# Altium PCB PCB1.PcbDoc
Units mm, origin at the board's own origin, x right, y up, seen from the top; angles counter-clockwise.
Board outline 100.26 x 77.43 mm, 4 copper layers (Top Layer, GND, PWR, Bottom Layer), stack 0.603 mm thick; 34 components, 36 nets, 157 pads, 19 vias.
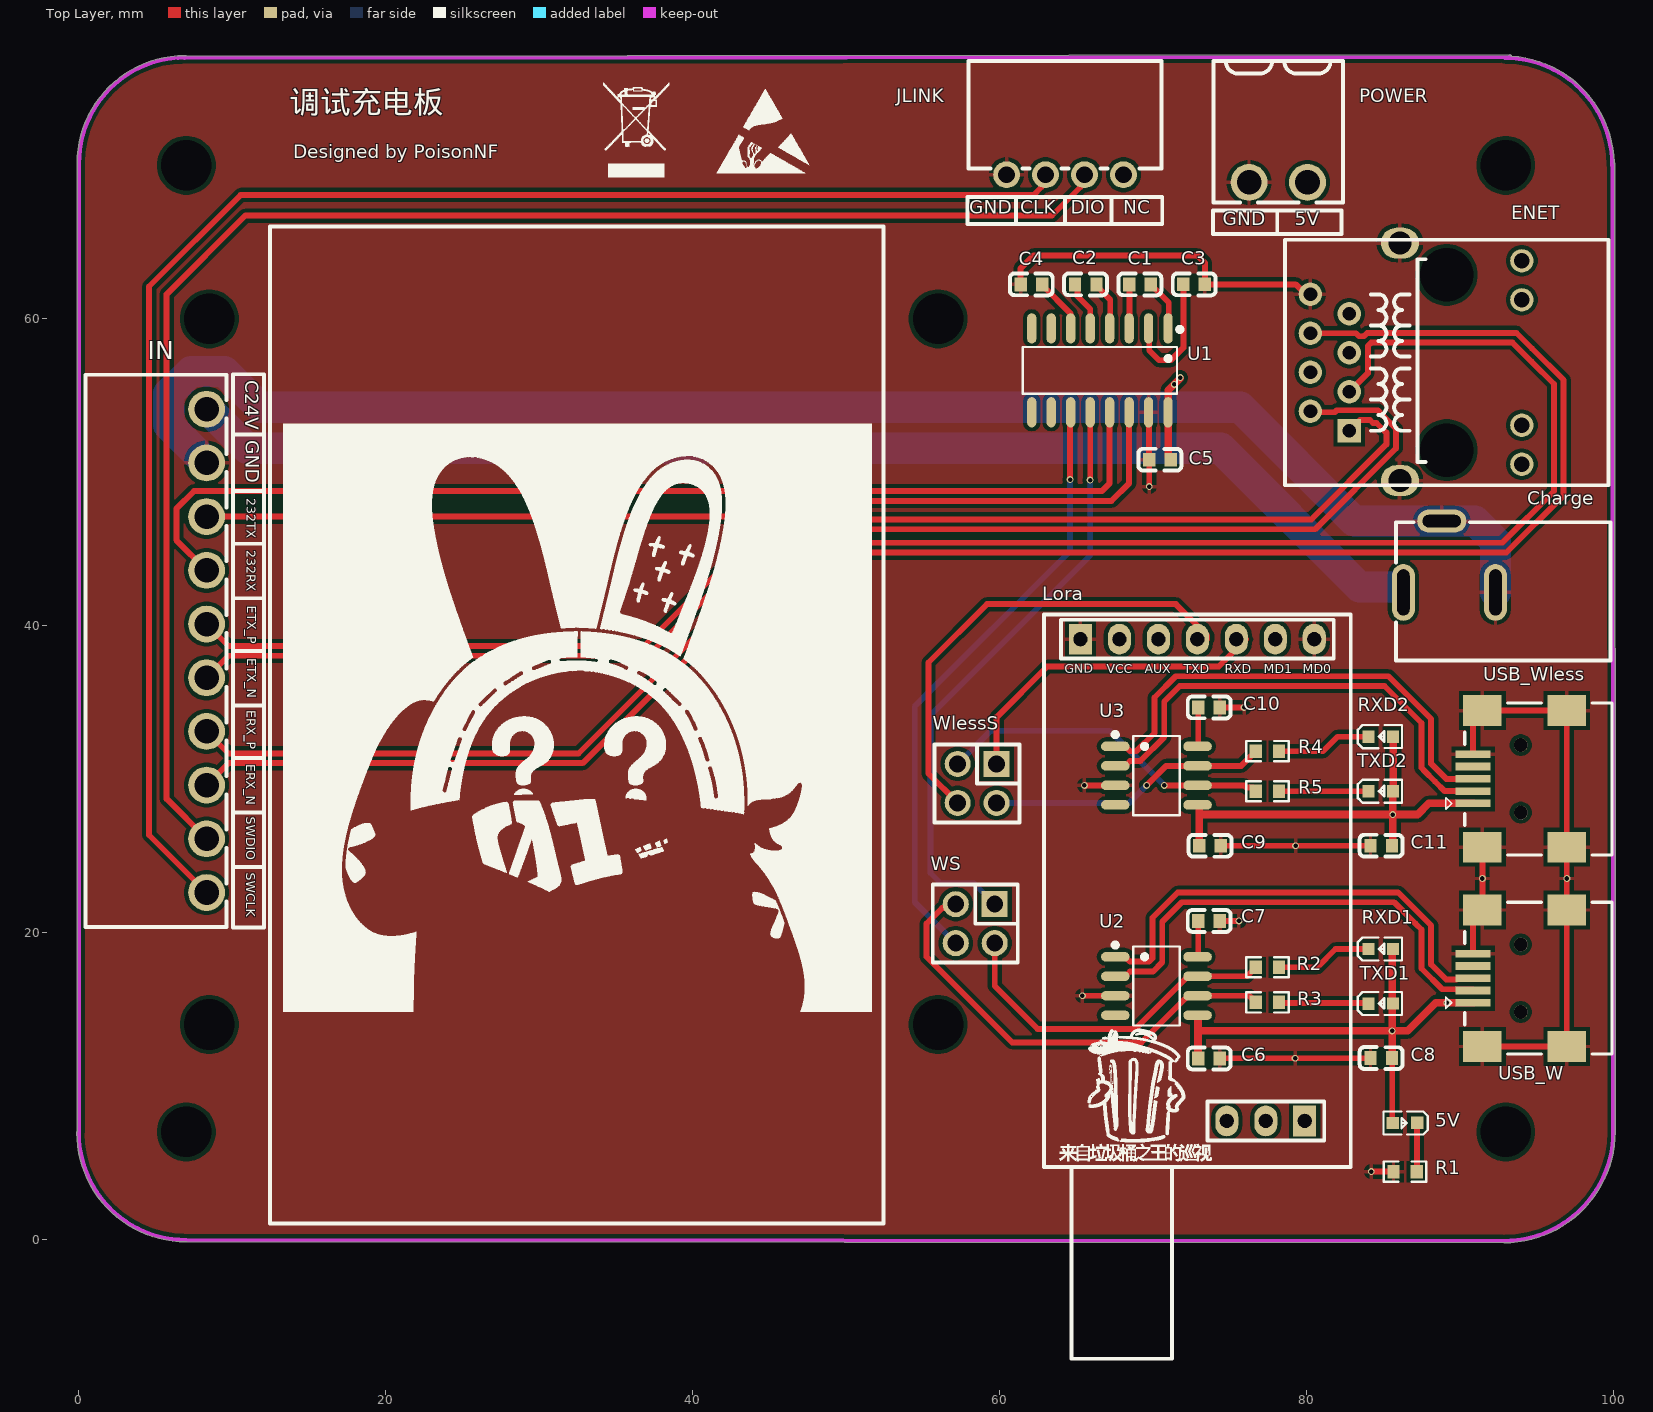
[diagram p0: Top Layer view]
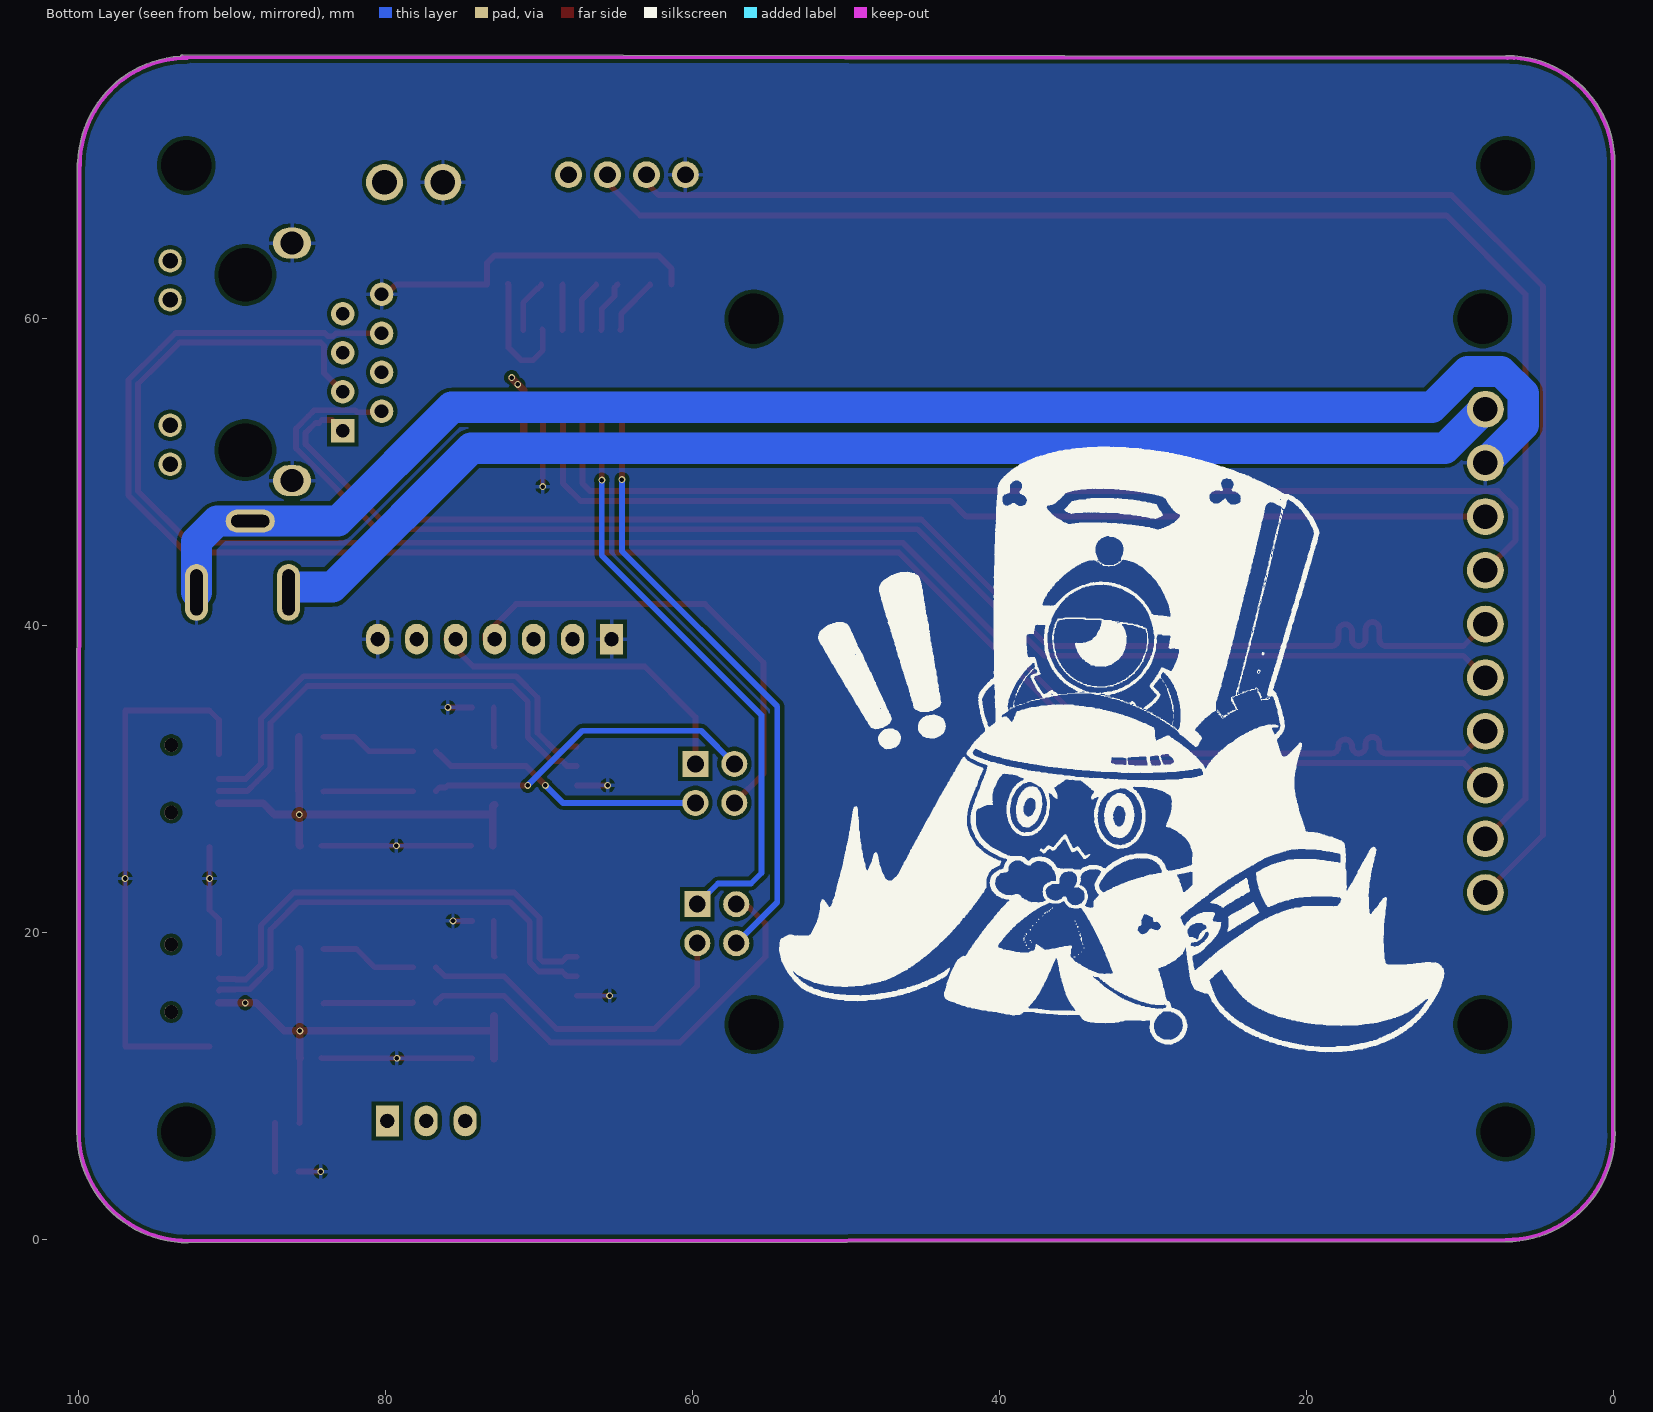
[diagram p1: Bottom Layer view, seen from below]
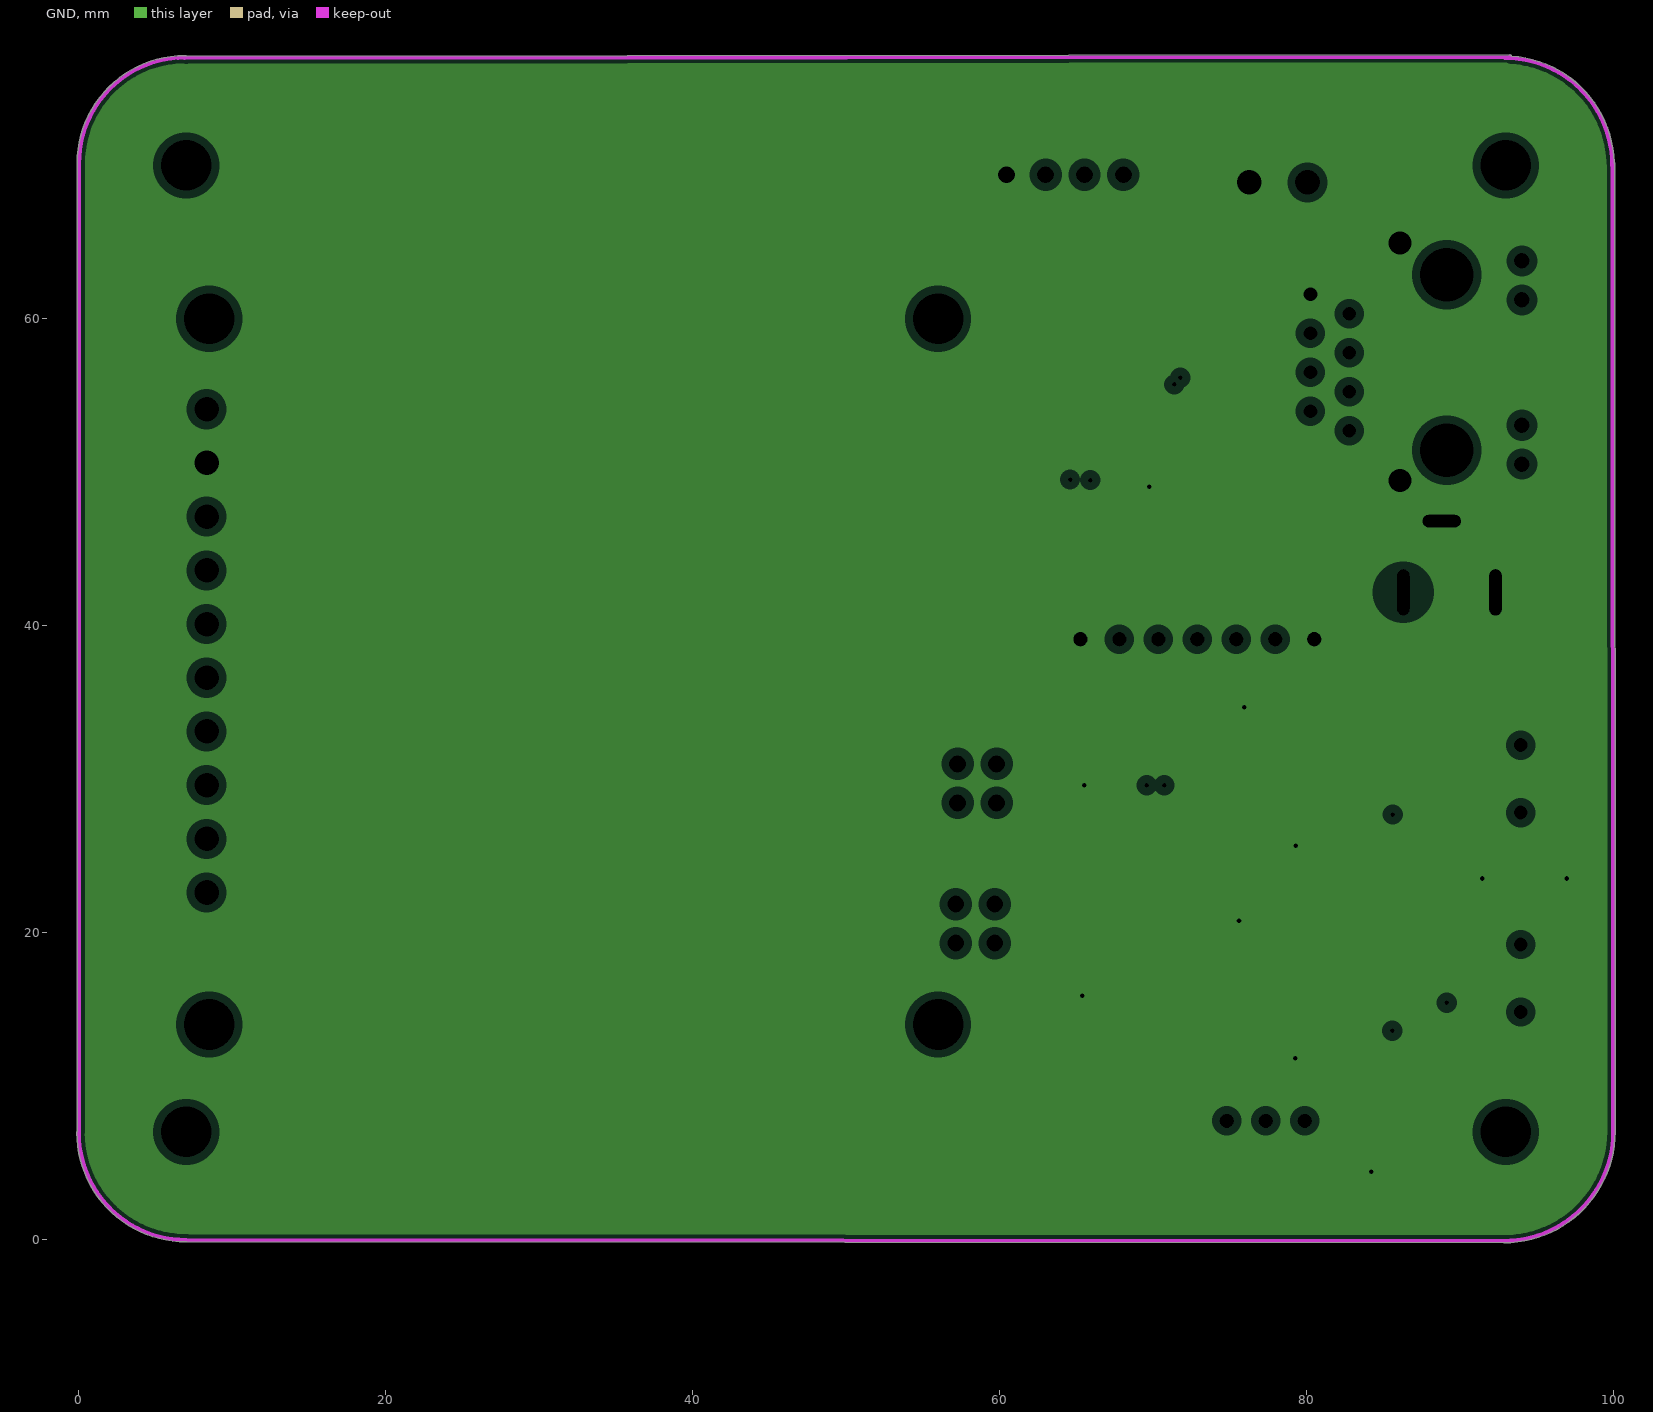
[diagram p2: GND, clearances drawn from the general rule]
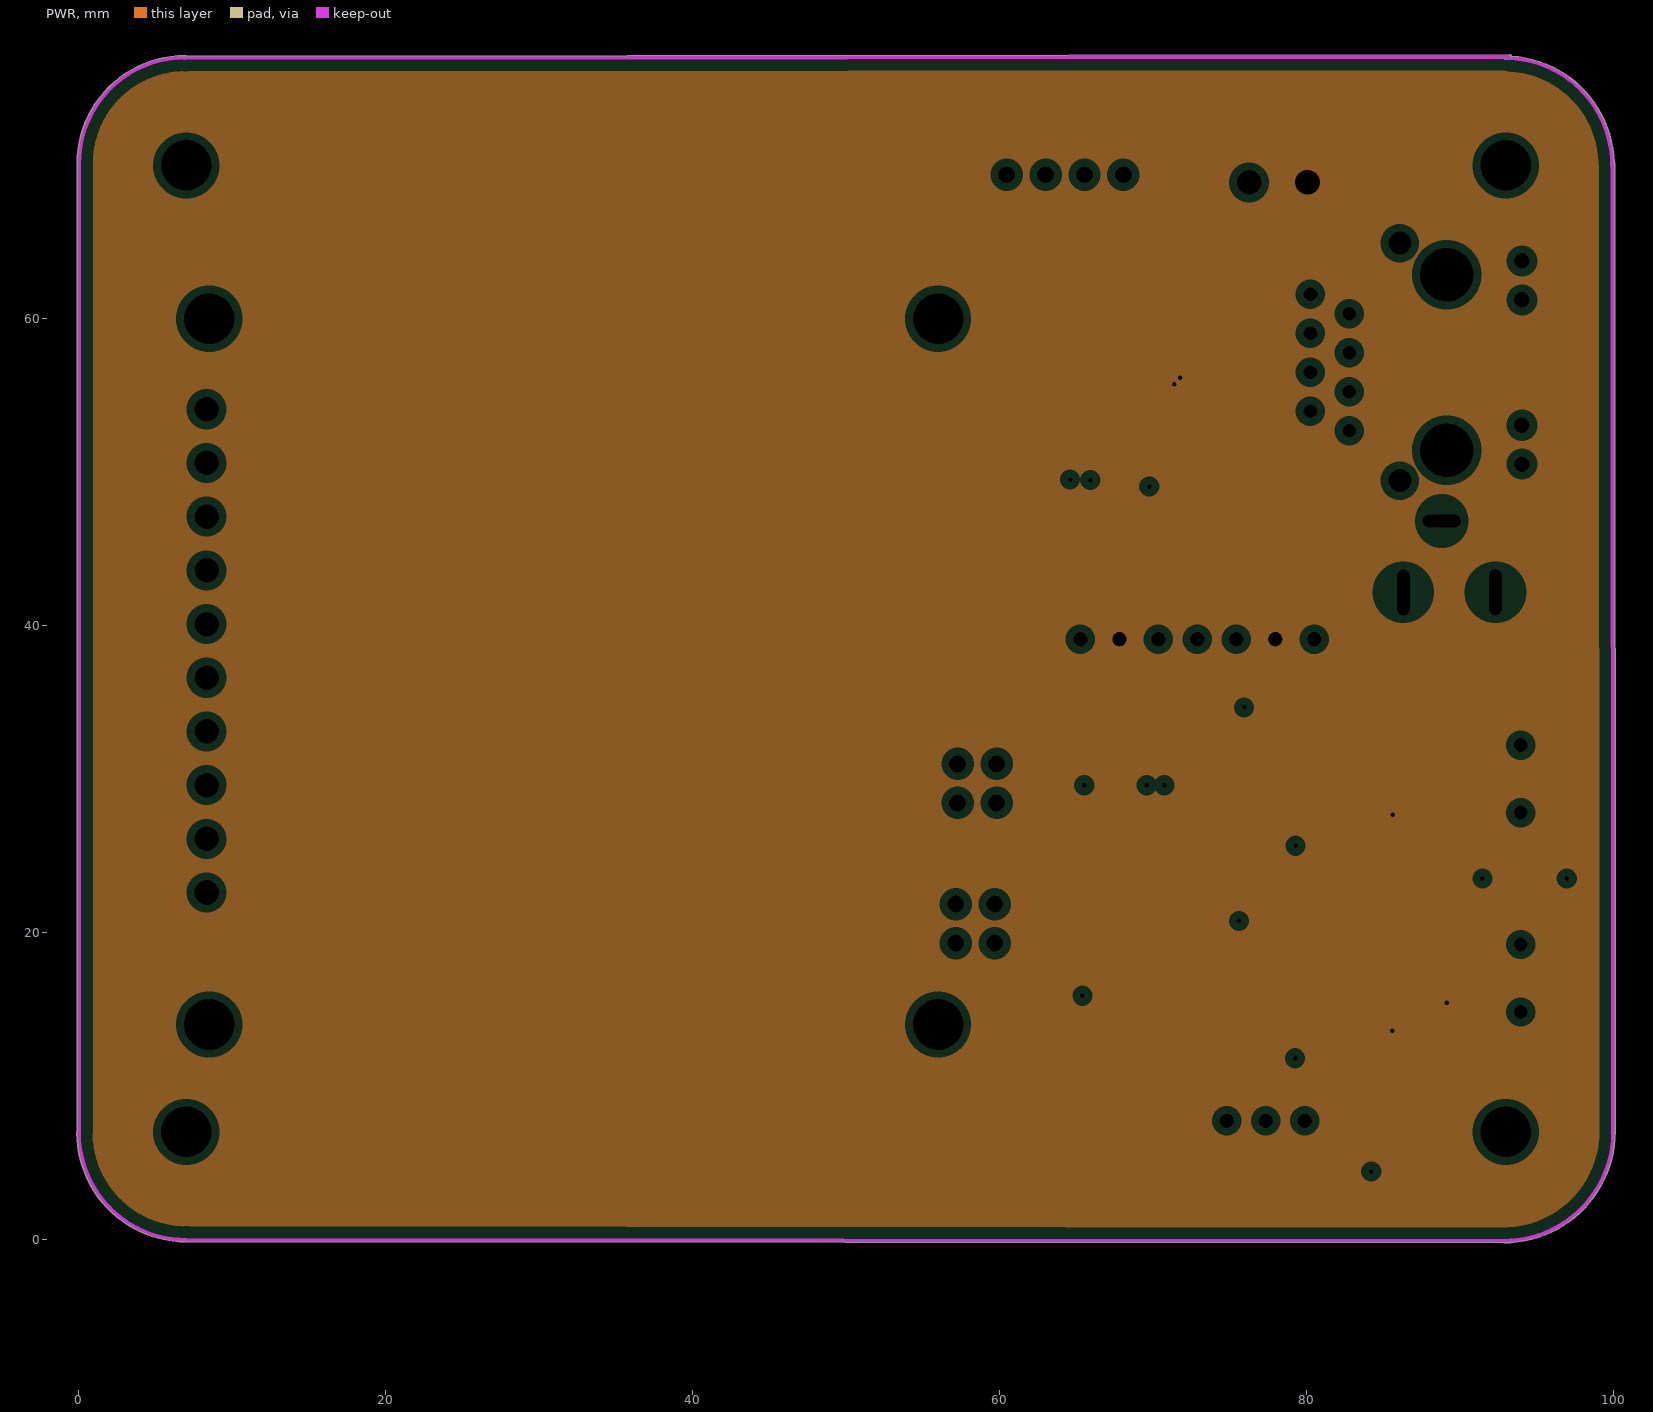
[diagram p3: PWR, clearances drawn from the general rule]

## Layer stack, top to bottom
Top Solder: solder mask 0.0102, Solder Resist, Dk 3.5
Top Layer: signal copper 0.0356
Dielectric 2: prepreg 0.0711, PP-006, Dk 4.1
GND: plane copper 0.035, net GND
Dielectric 1: dielectric 0.32, FR-4, Dk 4.8
PWR: plane copper 0.035, net 5V
Dielectric 3: prepreg 0.0711, PP-006, Dk 4.1
Bottom Layer: signal copper 0.0356
Bottom Solder: solder mask 0.0102, Solder Resist, Dk 3.5

## Board outline
-0.115,7.03 -0.115,70.127 cw(c0.012,70.127) -0.115,70.129 cw(c6.912,70.127) 6.912,77.154 cw(c6.912,77.026) 6.989,77.127 93.252,77.203 cw(c93.252,77.075) 93.374,77.114 cw(c92.936,70) 100.061,70.194 cw(c99.971,70.104) 100.098,70.104 100.13,7.025 cw(c92.875,7.025) 92.875,-0.23 7.017,-0.164 cw(c6.993,-0.039) 6.993,-0.166 cw(c6.993,6.961) -0.135,6.961 cw(c-0.007,6.961)

## Design rules (kind name [scope] priority, off if disabled: settings)
Clearance [All] p1: gap=0.254 ignorepadtopadclearanceinfootprint=FALSE except(0: Arc-Hole Track-Hole SMDPad-Hole THPad-Hole Via-Hole Fill-Hole Poly-Hole Region-Hole Text-Hole)
ComponentClearance [All] p1 off: gap=0.254 collisioncheckmode=3 verticalgap=0.254 showdistances=FALSE
DiffPairsRouting [All] p1: maxlimit=0.254 minlimit=0.254 mostfreqgap=0.254 toplayer_minwidth=0.381 toplayer_maxwidth=0.381 toplayer_prefwidth=0.381 bottomlayer_minwidth=0.381 bottomlayer_maxwidth=0.381 bottomlayer_prefwidth=0.381 maxuncoupledlength=12.7
PlaneClearance [All] p1: clearance=0.508
PlaneConnect [All] p1: planeconnectstyle=Relief reliefexpansion=0.508 reliefentries=4 reliefconductorwidth=0.254 reliefairgap=0.254
PolygonConnect [All] p1: connectstyle=Relief reliefconductorwidth=0.254 reliefentries=4 polygonreliefangle="90 Angle" airgapwidth=0.254
RoutingVias [All] p1: holewidth=0.711 width=1.27 viastyle="Through Hole" minholewidth=0.711 minwidth=1.27 maxholewidth=0.711 maxwidth=1.27
SolderMaskExpansion [All] p1: expansion=0.102 istentingtop=FALSE
Width [All] p1: maxlimit=2.54 minlimit=0.254 preferedwidth=0.381 minimp=50.000000 maximp=50.000000 favimp=50.000000
26 further rules are at their usual default settings.

## Classes and differential pairs
differential pair ETX: +ETX_P -ETX_N
differential pair ERX: +ERX_P -ERX_N
differential pair D2: +D2_P -D2_N
differential pair D1: +D1_P -D1_N

## Components (designator, comment, footprint, x,y, rotation, side; value= is the part's Value field where it differs from the comment)
5V "NCD0603R1_C84263" LED0603-RD_RED 86.428,7.587 r180 top
C1 "100nF" C0603 69.161,62.241 r0 top
C2 "100nF" C0603 65.621,62.241 r0 top
C3 "100nF" C0603 72.686,62.246 r180 top
C4 "100nF" C0603 62.08,62.241 r0 top
C5 "100nF" C0603 70.465,50.816 r0 top
C6 "100nF" C0603 73.66,11.788 r180 top
C7 "100nF" C0603 73.66,20.752 r180 top
C8 "10uF" C0603 84.884,11.811 r0 top value=100nF
C9 "100nF" C0603 73.722,25.654 r180 top
C10 "100nF" C0603 73.66,34.671 r180 top
C11 "10uF" C0603 84.884,25.654 r0 top value=100nF
Charge "DC-005-A250" DC-IN-TH_DC-005-A250 89.329,44.489 r180 top (schematic designator DC)
ENET "HR911105A" RJ-45A12 94.054,50.525 r0 top
IN "KF2EDGR-3.5-10P" CONN-TH_10P-P3.50_KF2EDGR-3.5-10P 8.318,38.354 r270 top
JLINK "XH-4AW" CONN-TH_XH-4AW 64.274,69.391 r180 top
Lora "a28t2g4a27d1acn" a28_t2g4a27d1a 62.898,40.716 r270 top
POWER "KF2EDGR-3.81-2P" CONN-TH_2P-P3.81_KF2EDGR-3.81-2P 78.173,68.89 r180 top
R1 "1K" R0603 86.437,4.412 r0 top value=10kΩ
R2 "470" R0603 77.47,17.733 r0 top value=10kΩ
R3 "470" R0603 77.47,15.447 r0 top value=10kΩ
R4 "470" R0603 77.47,31.817 r0 top value=10kΩ
R5 "470" R0603 77.47,29.203 r0 top value=10kΩ
RXD1 "NCD0603R1_C84263" LED0603-RD_RED 84.851,18.92 r0 top
RXD2 "NCD0603R1_C84263" LED0603-RD_RED 84.851,32.763 r0 top
TXD1 "NCD0603R1_C84263" LED0603-RD_RED 84.851,15.363 r0 top
TXD2 "NCD0603R1_C84263" LED0603-RD_RED 84.851,29.203 r0 top
U1 "MAX3232IDR" SOIC-16_L9.9-W3.9-P1.27-LS6.0-BL 66.548,56.642 r180 top
U2 "CH340N" SOP-8_L4.9-W3.9-P1.27-LS6.0-BL 70.231,16.51 r270 top
U3 "CH340N" SOP-8_L4.9-W3.9-P1.27-LS6.0-BL 70.231,30.226 r270 top
USB_W "USB-5P" USB-MINI-A 93.98,17.018 r90 top
USB_Wless "USB-5P" USB-MINI-A 93.98,30.013 r90 top
WlessS "PZ2.54-2*2" HDR-TH_4P-P2.54-V-M-R2-C2-S2.54 58.547,29.718 r180 top
WS "PZ2.54-2*2" HDR-TH_4P-P2.54-V-M-R2-C2-S2.54 58.42,20.574 r180 top

## Footprints (in the part's own frame and the unit in brackets; to place one, negate y for a bottom-side part, rotate by r counter-clockwise, add the part's x,y. Pads: shape width x height; smd on the part's side, far side on the other; paste and mask are expansions set on the pad)
a28_t2g4a27d1a [mm]
  rect 2x1.5 hole 0.9 slot 0.905 at 0 deg: 1(1.6,2.38) 8(33,17)
  oval 2x1.5 hole 0.9 slot 0.905 at 0 deg: 2(1.6,4.92) 3(1.6,7.46) 4(1.6,10) 5(1.6,12.54) 6(1.6,15.08) 7(1.6,17.62) 9(33,14.46) 10(33,11.92)
  silkscreen extent 0,0 48.5,20
C0603 [mm]
  rect 0.8x0.9 smd: 1(-0.7,0) 2(0.7,0)
  silkscreen extent -1.41,-0.71 1.39,0.72
CONN-TH_2P-P3.81_KF2EDGR-3.81-2P [mm]
  round 2.4 hole 1.6: 1(-1.905,0) 2(1.905,0)
  silkscreen extent -4.21,-7.9 4.21,1.3
CONN-TH_10P-P3.50_KF2EDGR-3.5-10P [mm]
  round 2.4 hole 1.6: 1(-15.75,0) 2(-12.25,0) 3(-8.75,0) 4(-5.25,0) 5(-1.75,0) 6(1.75,0) 7(5.25,0) 8(8.75,0) 9(12.25,0) 10(15.75,0)
  silkscreen extent -18,-7.9 18,1.3
CONN-TH_XH-4AW [mm]
  round 1.75 hole 1.1 paste+0 mask+0.05: 1(-3.81,0) 2(-1.27,0) 3(1.27,0) 4(3.81,0)
  silkscreen extent -6.3,-7.4 6.3,-0.4
DC-IN-TH_DC-005-A250 [mm]
  oval 1.5x3.7 hole 0.8 slot 3 at 90 deg paste+0 mask+0.05: 1(3,2.325) 2(-3,2.325)
  oval 3.2x1.5 hole 0.8 slot 2.5 at 0 deg paste+0 mask+0.05: 3(0.5,-2.325)
  silkscreen extent -10.5,-2.25 3.47,6.77
HDR-TH_4P-P2.54-V-M-R2-C2-S2.54 [mm]
  rect 1.7x1.7 hole 1.1: 1(-1.27,-1.27)
  round 1.7 hole 1.1: 2(-1.27,1.27) 3(1.27,-1.27) 4(1.27,1.27)
  silkscreen extent -2.77,-2.54 2.77,2.54
LED0603-RD_RED [mm]
  rect 0.8x0.8 smd: 1(-0.8,-0.003) 2(0.8,0.003)
  silkscreen extent -1.49,-0.75 1.39,0.76
R0603 [mm]
  rect 0.806x0.864 smd paste-100 mask+0.051: 1(-0.753,0) 2(0.753,0)
  silkscreen extent -1.39,-0.66 1.39,0.66
RJ-45A12 [mil]
  round 130 hole 137.8: 0(-192.91,485.83) 0(-192.91,35.83)
  rect 60x60 hole 35.43: 1(-442.91,85.83)
  round 60 hole 35.43: 2(-542.91,135.83) 3(-442.91,185.83) 4(-542.91,235.83) 5(-442.91,285.83) 6(-542.91,335.83) 7(-442.91,385.83) 8(-542.91,435.83)
  round 60 hole 40: 9(0,0) 10(0,100) 11(0,421.65) 12(0,521.65)
  oval 98.43x78.74 hole 59.06: 13(-312.99,-42.13) 14(-312.99,567.32)
  silkscreen extent -608,-54 222,576, body extent -605,-53 237,572, height 59
SOIC-16_L9.9-W3.9-P1.27-LS6.0-BL [mm]
  oval 0.602x1.971 smd: 1(-4.445,-2.736) 2(-3.175,-2.736) 3(-1.905,-2.736) 4(-0.635,-2.736) 5(0.635,-2.736) 6(1.905,-2.736) 7(3.175,-2.736) 8(4.445,-2.736) 9(4.445,2.736) 10(3.175,2.736) 11(1.905,2.736) 12(0.635,2.736) 13(-0.635,2.736) 14(-1.905,2.736) 15(-3.175,2.736) 16(-4.445,2.736)
  silkscreen extent -5.36,-2.82 5.03,1.52
SOP-8_L4.9-W3.9-P1.27-LS6.0-BL [mm]
  oval 0.63x1.865 smd: 1(-1.905,-2.682) 2(-0.635,-2.682) 3(0.635,-2.682) 4(1.905,-2.682) 5(1.905,2.682) 6(0.635,2.682) 7(-0.635,2.682) 8(-1.905,2.682)
  silkscreen extent -2.82,-2.83 2.58,1.52
USB-MINI-A [mm]
  rect 0.5x2.3 smd: 1(-1.6,3.108) 2(-0.8,3.108) 3(0,3.108) 4(0.8,3.108) 5(1.6,3.108)
  rect 2x2.5 smd: 5(-4.45,-3) 5(-4.45,2.5) 5(4.45,-3) 5(4.45,2.5)
  round 0.9 hole 0.9 unplated: MH1(2.2,0) MH2(-2.2,0)
  silkscreen extent -4.95,-5.95 4.95,4.89, body extent -4.75,-6 4.75,3.7, height 3.95

## Part data
5V RXD1 RXD2 TXD1 TXD2: "LED", Emitted Color=红灯, JLCPCB Part Class="Extended Part", Manufacturer=国星光电, Manufacturer Part=NCD0603R1, Add into BOM=yes, Convert to PCB=yes, Datasheet=https://atta.szlcsc.com/upload/public/pdf/source/20200820/C84263_DABC6A75E58F576973B407FDBA283D60.pdf, Device=NCD0603R1_C84263, LCSC Part Name=红灯, Name=NCD0603R1, Supplier=LCSC, Supplier Footprint=0603, Supplier Part=C84263, Symbol=FC-DA1608HRK-620D
C1 C2 C3 C4 C5 C6 C7 C8 C9 C10 C11: library part 0603B104K500NT, "0603电容", JLCPCB Part Class="Extended Part", LCSC Part Name="100nF ±10% 50V", Manufacturer=FH(风华), Temperature Coefficient=X7R, Tolerance=±10%, Voltage Rated=50V, Add into BOM=yes, Convert to PCB=yes, Datasheet=https://atta.szlcsc.com/upload/public/pdf/source/20170923/C30926_1506149436298988724.pdf, Device=0603B104K500NT, Manufacturer Part=0603B104K500NT, Name=100nF, Supplier=LCSC, Supplier Footprint=0603, Supplier Part=C30926, Symbol=0603B104K500NT
Charge: Current Rating (Max)=3A, JLCPCB Part Class="Extended Part", LCSC Part Name="DC电源插座 内径:2.5mm 外径:6.3mm", Manufacturer=XUNPU(讯普), Operating Temperature Range=-20℃~+70℃, Voltage Rating (Max)=30V, Add into BOM=yes, Connector Type=DC电源插座, Convert to PCB=yes, Datasheet=https://atta.szlcsc.com/upload/public/pdf/source/20220428/F133011953B124341225656709BD6AA6.pdf, Device=DC-005-A250, Inside Contact Diameter=2.5mm, Manufacturer Part=DC-005-A250, Mounting Style=弯插, Name=DC-005-A250, Outside Contact Diameter=6.3mm, Supplier=LCSC, Supplier Footprint=插件, Supplier Part=C720558, Symbol=DC-005-A250
ENET: "带灯以太网接口", BOM名称=带灯以太网接口, 学习资源=www.ooocke.com, 版权归属=源创客
IN: Color=绿色, Current Rating (Max)=8A, JLCPCB Part Class="Extended Part", LCSC Part Name="3.5mm 1x10P 排数:1 每排P数:10", Manufacturer=KEFA(科发), Operating Temperature Range=-40℃~+105℃, Voltage Rating (Max)=300V, Add into BOM=yes, Connector Type=板端/插座-闭口, Convert to PCB=yes, Datasheet=https://atta.szlcsc.com/upload/public/pdf/source/20230331/72E4E5AAB7D73656319D871C62219080.pdf, Device=KF2EDGR-3.5-10P, Manufacturer Part=KF2EDGR-3.5-10P, Mounting Style=弯针, Name=KF2EDGR-3.5-10P, Number of Pins=10P, Number of PINs Per Row=10, Number of Rows=1, Pitch=3.5mm, Structure=1x10P, Supplier=LCSC, Supplier Footprint=弯插,P=3.5mm, Supplier Part=C441168, Symbol=KF2EDGR-3.5-10P
JLINK: "XH2.54-4P弯针", Current Rating (Max)=3A, JLCPCB Part Class="Extended Part", LCSC Part Name="1x4P 间距:2.54mm 弯插 系列:XH", Manufacturer=HCTL(华灿天禄), Operating Temperature Range=-25℃~+85℃, Add into BOM=yes, Contact Material=黄铜, Contact Plating=锡, Convert to PCB=yes, Datasheet=https://atta.szlcsc.com/upload/public/pdf/source/20230711/B565BAF3B11666EF6B81B3605408F2BD.pdf, Device=XH-4AW, Manufacturer Part=XH-4AW, Mounting Style=弯插, Name=XH-4AW, Number of Pins=4P, Number of PINs Per Row=4, Number of Rows=1, Pins Structure=1x4P, Pitch=2.54mm, Reference Series=XH, Row Spacing=-, Supplier=LCSC, Supplier Footprint=弯插,P=2.54mm, Supplier Part=C2908613, Symbol=XH-4AW_C2908613
Lora: "Lora模块"
POWER: Color=绿色, Current Rating (Max)=8A, JLCPCB Part Class="Extended Part", LCSC Part Name="板端/插座-闭口 1x2P 3.81mm 排数:1 每排P数:2 弯针", Manufacturer=KEFA(科发), Operating Temperature Range=-40℃~+105℃, Voltage Rating (Max)=300V, Add into BOM=yes, Connector Type=板端/插座-闭口, Convert to PCB=yes, Datasheet=https://atta.szlcsc.com/upload/public/pdf/source/20230331/6258E6C6BF04EFF922F3E5A9E72A4547.pdf, Device=KF2EDGR-3.81-2P, Manufacturer Part=KF2EDGR-3.81-2P, Mounting Style=弯针, Name=KF2EDGR-3.81-2P, Number of PINs Per Row=2, Number of Rows=1, Pitch=3.81mm, Structure=1x2P, Supplier=LCSC, Supplier Footprint=弯插,P=3.81mm, Supplier Part=C441182, Symbol=KF2EDGR-3.81-2P
R1 R2 R3 R4 R5: library part 0603WAF1002T5E, "0603电阻", JLCPCB Part Class="Basic Part", LCSC Part Name="厚膜电阻 10kΩ ±1% 100mW", Manufacturer=UNI-ROYAL(厚声), Operating Temperature Range=-55℃~+155℃, Overload Voltage (Max)=75V, Power(Watts)=100mW, Temperature Coefficient=±100ppm/℃, Tolerance=±1%, Add into BOM=yes, Convert to PCB=yes, Datasheet=https://atta.szlcsc.com/upload/public/pdf/source/20200306/C422600_1E6D84923E4A46A82E41ADD87F860B5C.pdf, Device=0603WAF1002T5E, Manufacturer Part=0603WAF1002T5E, Name=10kΩ, Supplier=LCSC, Supplier Footprint=0603, Supplier Part=C25804, Symbol=0603WAF1002T5E, Type=厚膜电阻
U1: JLCPCB Part Class="Extended Part", Manufacturer=TI(德州仪器), Supply Voltage=3V~5.5V, Add into BOM=yes, Convert to PCB=yes, Data Rate=250Kbps, Datasheet=https://atta.szlcsc.com/upload/public/pdf/source/20130907/1457706645949.pdf, Device=MAX3232IDR, Driver/receiver=2/2, LCSC Part Name=MAX3232IDR, Manufacturer Part=MAX3232IDR, Name=MAX3232IDR, Supplier=LCSC, Supplier Footprint=SOIC-16, Supplier Part=C18261, Symbol=MAX3232IDR, Types=收发器
U2 U3: library part CH340N_C2977777, Designer=U?, Device=CH340N_C2977777, Symbol=CH340N_C2977777
USB_W USB_Wless: "微型USB母座", BOM名称=微型USB母座, 学习资源=www.ooocke.com, 版权归属=源创客
WlessS WS: "2*2排针", JLCPCB Part Class="Extended Part", Manufacturer=ZHOURI(洲日), Add into BOM=yes, Convert to PCB=yes, Datasheet=https://atta.szlcsc.com/upload/public/pdf/source/20220923/B99F04FBBE53F9D60C18D50D8418B40E.pdf, Device=PZ2.54-2*2, LCSC Part Name=PZ2.54-2*2, Manufacturer Part=PZ2.54-2*2, Name=PZ2.54-2*2, Number of Pins=4P, Number of Rows=双排, Pin Structure=2x2P, Pitch=2.54mm, Supplier=LCSC, Supplier Footprint=插件,P=2.54mm, Supplier Part=C5156675, Symbol=PZ2.54-2*2

## Free pads (board coordinates)
  round 1.524 hole 3.3: 1(93,70) 2(7,7) 2(8.5,14) 2(8.5,60) 2(56,14) 2(56,60) 3(93,7) 4(7,70)

## Via types
v1: diameter 0.45, hole 0.3, Top Layer to Bottom Layer, 19 vias

## Nets (pads, with @x,y where several pads share a name; then routed paths per layer and width w, separated by ;. In a path a pad name is that pad's centre, name@x,y a point inside that pad or via, vN(x,y) a via of type N, cw(c..) or ccw(c..) an arc to the next point about the centre after c; other vN are vias at no path point)
5V: 5V.2 C5.2 C6.2 C8.2 C9.2 C11.2 Lora.2 Lora.6 POWER.1 RXD1.2 RXD2.2 TXD1.2 TXD2.2 U1.16 U2.5 U3.5 USB_W.1 USB_Wless.1 | length 66.4
  Top Layer w0.381: v1(71.392,55.724) v1@71.392,55.743 ; v1@71.772,56.123 71.772,56.147 v1(71.785,56.16) ; 84.063,13.6 84.074,13.589 84.087,13.576 ; C8.2 85.606,11.788 85.606,7.606 5V.2
  Top Layer w0.5: U1.16 U1.16@71.013,53.926 ; C5.2 71.165,50.866 71.013,51.019 U1.16@71.013,53.926 ; v1(71.392,55.724) 71.013,55.345 71.013,53.947 U1.16@71.013,53.926 ; v1@71.392,55.743 v1@71.772,56.123 ; U3.5 72.962,28.321 73.022,28.261 73.022,27.686 ; C6.2@72.937,11.788 U2.5@72.937,14.582 ; C9.2 73.022,27.686 ; 73.165,13.589 84.074,13.589 v1(85.598,13.589) ; C8.2 85.598,11.825 v1(85.598,13.589) ; C11.2 85.635,25.705 v1(85.635,27.686) ; TXD2.2@85.635,29.19 v1(85.635,27.686) ; RXD1.2 85.598,18.87 v1(85.598,13.589) ; TXD2.2@85.675,29.231 RXD2.2@85.675,32.742 ; USB_W.1 88.431,15.418 86.602,13.589 v1(85.598,13.589) ; USB_Wless.1 87.976,28.413 87.249,27.686 v1(85.635,27.686) ; 73.022,27.686 v1(85.635,27.686)
  other v1: 89.153,15.414
232RX: IN.4 U1.13 | length 71
  Top Layer w0.381: IN.4 6.35,45.573 6.35,47.625 7.493,48.768 66.675,48.768 67.183,49.276 U1.13
232TX: IN.3 U1.14 | length 65.7
  Top Layer w0.381: IN.3 42.151,47.104 43.18,48.133 67.31,48.133 68.453,49.276 U1.14
C24V: Charge.1 IN.1 | length 82.5
  Bottom Layer w2.032: IN.1 8.418,54.104 10.96,51.562 74.422,51.562 83.472,42.512 Charge.1@85.981,42.512
D1_N: U2.2 USB_W.2 | length 30.7
  Top Layer w0.381: U2.2 68.196,17.145 68.514,17.463 70.017,17.463 70.612,18.058 70.612,20.701 71.882,21.971 85.725,21.971 87.122,20.574 87.503,20.193 87.503,17.653 88.855,16.301 89.77,16.301 89.793,16.278 90.812,16.278 USB_W.2
D1_P: U2.1 USB_W.3 | length 30.7
  Top Layer w0.381: U2.1 68.196,18.415 68.514,18.098 69.754,18.098 69.977,18.321 69.977,20.964 71.619,22.606 85.988,22.606 88.138,20.456 88.138,17.916 89.118,16.936 89.77,16.936 89.793,16.959 90.812,16.959 USB_W.3
D2_N: U3.2 USB_Wless.2 | length 31.4
  Top Layer w0.381: U3.2 68.196,30.861 68.514,31.178 69.186,31.178 70.739,32.732 70.739,35.052 71.755,36.068 85.09,36.068 87.503,33.655 87.503,30.734 87.689,30.548 88.392,29.845 89.024,29.213 USB_Wless.2
D2_P: U3.1 USB_Wless.3 | length 31.3
  Top Layer w0.381: U3.1 68.196,32.131 68.514,31.813 68.923,31.813 70.104,32.995 70.104,35.315 71.492,36.703 85.353,36.703 88.138,33.918 88.138,30.997 89.122,30.013 USB_Wless.3
ERX_N: ENET.6 IN.8 | length 121.7
  Top Layer w0.381: IN.8 9.751,31.036 32.831,31.036 46.558,44.763 93.032,44.763 96.774,48.505 96.774,56.007 94.711,58.07 93.702,59.079 83.971,59.079 83.751,58.86 83.436,58.86 83.24,59.055 ENET.6
ERX_P: ENET.3 IN.7 | length 121.7
  Top Layer w0.381: IN.7 9.751,31.671 14.605,31.671 14.796,31.671 ccw(c14.796,32.116) 15.24,32.116 15.24,32.308 cw(c15.685,32.308) 16.129,32.308 16.129,32.116 ccw(c16.574,32.116) 17.018,32.116 17.018,32.136 cw(c17.463,32.136) 17.907,32.136 17.907,32.116 ccw(c18.352,32.116) 18.352,31.671 22.309,31.671 32.568,31.671 46.294,45.398 92.769,45.398 96.139,48.768 96.139,55.744 94.674,57.209 93.439,58.444 84.234,58.444 84.01,58.221 84.01,56.452 ENET.3
ETX_N: ENET.2 IN.6 | length 91.2
  Top Layer w0.381: IN.6 9.751,38.036 37.093,38.036 45.344,46.287 80.586,46.287 85.852,51.553 85.852,52.841 85.031,53.662 84.655,54.039 81.985,54.039 81.858,53.911 80.328,53.911 ENET.2
ETX_P: ENET.1 IN.5 | length 91.2
  Top Layer w0.381: IN.5 9.751,38.671 14.605,38.671 14.795,38.671 ccw(c14.795,39.116) 15.24,39.116 15.24,39.787 cw(c15.684,39.787) 16.129,39.787 16.129,39.116 ccw(c16.573,39.116) 17.018,39.116 17.018,39.644 cw(c17.462,39.644) 17.907,39.644 17.907,39.116 ccw(c18.351,39.116) 18.351,38.671 22.939,38.671 36.83,38.671 45.08,46.922 80.323,46.922 85.217,51.816 85.217,52.578 84.582,53.213 84.343,53.213 84.153,53.404 83.502,53.404 ENET.1
GND: C3.1 C4.1 C5.1 C6.1 C7.1 C8.1 C9.1 C10.1 C11.1 Charge.2 Charge.3 ENET.8 ENET.13 ENET.14 IN.2 JLINK.4 Lora.1 Lora.7 POWER.2 R1.1 U1.15 U2.3 U3.3 USB_W.5 USB_Wless.5 | length 198.8
  Top Layer w0.381: C4.1 61.38,63.285 62.23,64.135 72.898,64.135 73.386,63.647 C3.1 79.304,62.246 79.955,61.595 ENET.8 ; v1(65.405,15.875) U2.3 ; v1(65.532,29.591) U3.3 ; U1.15 69.744,53.885 69.744,50.837 C5.1 v1(69.765,49.064) ; C6.1 74.371,11.8 84.172,11.8 C8.1 ; C7.1 v1(75.616,20.752) ; C10.1 v1(75.946,34.671) ; C9.1 C11.1 ; v1(84.234,4.412) R1.1 ; USB_W.5@90.872,18.618 90.872,20.86 USB_W.5@91.48,21.468 ; USB_Wless.5@90.872,31.613 90.872,33.855 91.48,34.463 96.98,34.463 96.98,25.563 96.98,21.468 96.98,12.568 USB_W.5@91.48,12.568 ; USB_W.5@91.48,21.468 USB_Wless.5@91.48,25.563
  Bottom Layer w2.032: IN.2 8.318,50.611 5.848,53.081 5.848,55.127 7.295,56.574 9.466,56.574 11.811,54.229 75.692,54.229 83.107,46.814 Charge.3 90.99,46.814 92.329,45.475 Charge.2
  other v1: 79.272,11.8 91.48,23.516 96.98,23.516 79.303,25.654
Net5V_1: 5V.1 R1.2 | length 3.2
  Top Layer w0.381: R1.2 87.209,4.431 87.209,7.571 5V.1
NetC1_1: C1.1 U1.3 | length 3
  Top Layer w0.381: C1.1 68.478,62.224 68.478,59.284 U1.3@68.495,59.267
NetC1_2: C1.2 U1.1 | length 3.5
  Top Layer w0.381: C1.2 69.861,62.191 70.071,61.981 70.121,61.981 71.035,61.067 U1.1@71.035,59.267
NetC2_1: C2.1 U1.5 | length 3.4
  Top Layer w0.381: C2.1@64.874,62.246 65.084,62.037 65.084,61.467 65.913,60.637 65.913,59.309 U1.5@65.955,59.267
NetC2_2: C2.2 U1.4 | length 3.4
  Top Layer w0.381: C2.2@66.274,62.246 66.274,62.196 67.225,61.245 67.225,60.722 U1.4@67.225,59.267
NetC3_2: C3.2 U1.2 | length 8.4
  Top Layer w0.381: U1.2@69.798,59.299 69.765,59.267 69.765,57.928 70.4,57.293 71.162,57.293 71.986,58.117 C3.2 C3.2@72.019,62.279
NetC4_2: C4.2 U1.6 | length 3.8
  Top Layer w0.381: C4.2@62.78,62.246 62.78,62.196 64.643,60.333 64.643,59.309 U1.6@64.685,59.267
NetC7_2: C7.2 U2.8 | length 2.4
  Top Layer w0.381: U2.8 72.96,18.461 C7.2
NetC10_2: C10.2 U3.8 | length 2.6
  Top Layer w0.381: U3.8 72.96,32.177 C10.2
NetR2_2: R2.2 RXD1.1 | length 6.3
  Top Layer w0.381: R2.2 80.725,17.733 81.908,18.916 RXD1.1
NetR3_2: R3.2 TXD1.1 | length 5.9
  Top Layer w0.381: R3.2 78.267,15.403 84.008,15.403 TXD1.1
NetR4_2: R4.2 RXD2.1 | length 6.2
  Top Layer w0.381: R4.2 81.093,31.817 82.035,32.759 RXD2.1
NetR5_2: R5.2 TXD2.1 | length 5.8
  Top Layer w0.381: R5.2 R5.2 84.05,29.201 TXD2.1
SWCLK: IN.10 JLINK.3 | length 102.8
  Top Layer w0.381: IN.10 4.572,26.351 4.572,62.103 10.541,68.072 59.916,68.072 59.917,68.071 61.01,68.071 61.011,68.072 62.23,68.072 62.742,68.584 62.742,69.129 JLINK.3
SWDIO: IN.9 JLINK.2 | length 99.6
  Top Layer w0.381: IN.9 5.715,28.707 5.715,61.595 10.849,66.729 63.427,66.729 65.282,68.584 65.282,68.758 65.46,68.936 JLINK.2@65.634,68.936
USB1_RXD: R2.1 U2.7 WS.2 | length 22.7
  Top Layer w0.381: WS.2 59.69,16.51 62.484,13.716 68.867,13.716 72.296,17.145 U2.7 76.129,17.145 76.475,17.491 76.504,17.491 76.717,17.704 R2.1
USB1_TXD: R3.1 U2.6 WS.3 | length 29.8
  Top Layer w0.381: WS.3 56.898,21.592 56.263,21.592 55.245,20.574 55.245,18.415 60.833,12.827 69.248,12.827 72.296,15.875 U2.6 76.288,15.875 76.475,15.688 76.504,15.688 76.717,15.475 R3.1
USB2_RXD: R4.1 U3.7 WlessS.2 | length 18.3
  Top Layer w0.381: v1(69.596,29.591) 70.866,30.861 75.761,30.861 76.475,31.575 76.504,31.575 76.717,31.788 R4.1
  Bottom Layer w0.381: WlessS.2 68.453,28.448 v1(69.596,29.591)
USB2_TXD: R5.1 U3.6 WlessS.3 | length 22
  Top Layer w0.381: v1(70.739,29.591) U3.6 75.946,29.591 76.093,29.444 76.504,29.444 76.717,29.232 R5.1
  Bottom Layer w0.381: WlessS.3 59.436,33.147 67.183,33.147 v1(70.739,29.591)
WlessRX: Lora.5 WlessS.1 | length 21.4
  Top Layer w0.381: WlessS.1 59.817,34.036 63.119,37.338 74.295,37.338 Lora.5@76.073,39.116
WlessTX: Lora.4 WlessS.4 | length 30.8
  Top Layer w0.381: WlessS.4 55.372,30.353 55.372,37.592 59.182,41.402 71.497,41.402 73.533,39.366 Lora.4@73.533,39.116
WRX: U1.12 WS.1 | length 39.4
  Top Layer w0.381: v1(65.913,49.483) U1.12
  Bottom Layer w0.381: WS.1 58.344,23.19 56.185,23.19 55.499,23.876 55.499,34.163 65.913,44.577 v1(65.913,49.483)
WTX: U1.11 WS.4 | length 39.9
  Top Layer w0.381: v1(64.606,49.516) 64.606,53.869 U1.11
  Bottom Layer w0.381: WS.4 54.483,21.971 54.483,34.737 64.606,44.86 v1(64.606,49.516)
pads on no net: ENET.0 ENET.4 ENET.5 ENET.7 ENET.9 ENET.10 ENET.11 ENET.12 JLINK.1 Lora.3 Lora.8 Lora.9 Lora.10 U1.7 U1.8 U1.9 U1.10 U2.4 U3.4 USB_W.4 USB_W.MH1 USB_W.MH2 USB_Wless.4 USB_Wless.MH1 USB_Wless.MH2

## Polygon pours and split planes (outlines as drawn)
GND on Bottom Layer "NONET_L-01_P-001" (solid, remove dead copper, pour order 1): -5.842,83.312 110.363,83.312 110.617,83.058 110.617,-9.271 -6.35,-9.271
GND on Top Layer "NONET_L-01_P-001" (solid, remove dead copper, pour order 0): -5.842,83.566 -5.334,83.058 110.49,83.058 110.49,-9.398 110.363,-9.271 -6.35,-9.271
5V on PWR (split plane): 157 vertices, not listed, extent 0.886,0.787 99.113,76.184
5V on PWR (split plane): 0.895,6.897 0.885,6.846 0.895,6.897 0.899,6.961
5V on PWR (split plane): 6.992,0.853 6.963,0.851 6.992,0.853
5V on PWR (split plane): 6.856,76.118 6.787,76.132
5V on PWR (split plane): 99.051,70.072 99.049,70.104
GND on GND (split plane): 175 vertices, not listed, extent 0.375,0.279 99.621,76.692
GND on GND (split plane): 6.89,76.627 6.889,76.627 6.838,76.642

## Keep-outs
Keep-Out Layer:
  lines w0.254: -0.007,6.961 ccw(c6.993,6.961) 6.993,-0.039 ; 0.012,6.985 0.012,70.127 cw(c6.912,70.127) 6.912,77.026 ; 6.858,-0.036 92.875,-0.103 ccw(c92.875,7.025) 100.002,7.025 99.971,70.104 ; 6.882,77 93.252,77.075 ; 92.936,77 cw(c92.936,70) 99.936,70

## Silkscreen, mask and mechanical layers (free items; w line width, h text height)
Top Overlay:
  drawing of 141 lines, arcs and shapes, not listed
  text "调试充电板" at 13.716,72.921 h2.54
  text "Designed by PoisonNF" at 13.971,70.163 h1.52
  text "GND" at 58.039,66.564 h1.52
  text "CLK" at 61.341,66.564 h1.52
  text "DIO" at 64.643,66.564 h1.52
  text "NC" at 68.072,66.564 h1.52
  text "GND" at 74.549,65.802 h1.52
  text "5V" at 79.248,65.802 h1.52
  text "C24V" at 10.557,56.007 h1.52 r270
  text "GND" at 10.58,52.069 h1.52 r270
  text "232TX" at 10.733,48.303 h1 r270
  text "232RX" at 10.747,44.916 h1 r270
  text "ETX_P" at 10.78,41.288 h1 r270
  text "ETX_N" at 10.78,37.859 h1 r270
  text "ERX_P" at 10.746,34.475 h1 r270
  text "ERX_N" at 10.702,30.959 h1 r270
  text "SWDIO" at 10.72,27.543 h1 r270
  text "SWCLK" at 10.708,23.908 h1 r270
Bottom Overlay:
  drawing of 50 lines, arcs and shapes, not listed

## Text inside footprints (layer, text, board x,y; h text height)
Lora: Top Overlay "GND" at 64.262,36.713 h1 r1; Top Overlay "VCC" at 67.005,36.716 h1; Top Overlay "AUX" at 69.469,36.713 h1; Top Overlay "MD0" at 79.756,36.713 h1; Top Overlay "MD1" at 77.216,36.703 h1; Top Overlay "RXD" at 74.676,36.703 h1; Top Overlay "TXD" at 72.009,36.703 h1